# KiCad board 100p-keebored_OLD.kicad_pcb (continued)
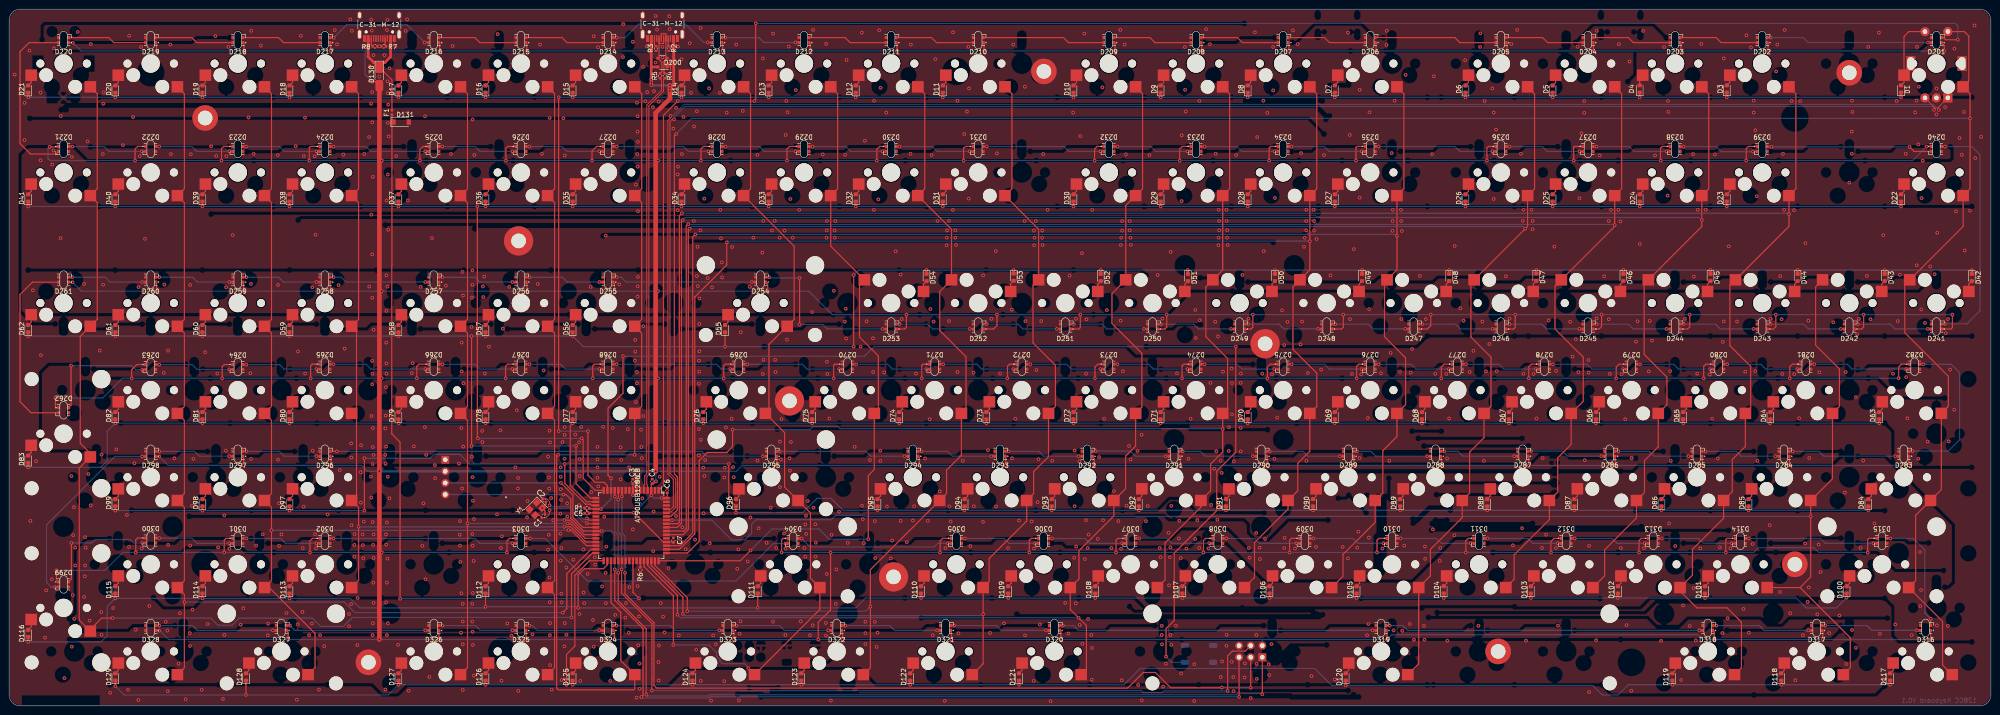
[diagram p0: board, top side]
## Routing (per net, layer and track width the routed paths; a pad name or vN(x,y) marks a point on that pad's centre or on a via; arc(x,y) is an arc through that point) (continued)
Col10: length 245.6
  Top w0.25: SW10.2 247.86,133.88 247.86,113.12 SW30.2 244.17,109.43 SW51.2 241.16,90.17 241.16,83.64 247.71,77.09 247.71,65.35 SW72.2 246.33,56.81 244.14,54.62 244.14,47.49 SW93.2 241.57,41.56 233.94,33.93 233.94,27.77 SW109.2 232.05,21.1 235.58,17.56 235.58,7.98 SW121.2 ; AT90USB1286.45 139.62,30.74 146.14,24.22 v1(146.14,19.94)
  Bottom w0.25: v1(146.14,19.94) 146.81,19.27 v1(233.87,19.27)
Col11: length 223.5
  Top w0.25: AT90USB1286.46 140.42,30.74 147.33,23.83 v1(147.33,20.09) ; SW11.2 219.28,133.88 219.28,113.12 SW31.2 225.12,104.23 SW52.2 223.9,91.96 223.9,79.4 228.81,74.49 228.81,65.5 SW73.2 227.28,54.51 224.04,51.26 224.04,46.44 SW94.2 222.52,40.44 214.3,32.22 214.3,27.18 SW110.2 v1(213,20.05) 213,9.21 SW122.2
  Bottom w0.25: v1(147.33,20.09) 147.33,19.94 147.55,19.72 212.67,19.72 v1(213,20.05)
Col12: length 200
  Top w0.25: v1(148.29,20.71) 148.29,23.66 141.22,30.74 AT90USB1286.47 ; SW123.2 188.33,8.35 v1(188.33,21.73) 188.33,29.78 SW95.2 205,46.45 205,51.57 208.24,54.8 SW74.2 209.24,64.98 209.24,76.34 203.51,82.07 203.51,90.62 SW53.2 206.08,104.23 SW32.2 200.23,113.12 200.23,133.88 SW12.2
  Bottom w0.25: v1(148.29,20.71) 187.31,20.71 v1(188.33,21.73)
Col13: length 156
  Top w0.25: v1(162.14,34) 159.87,31.74 AT90USB1286.48 ; v1(187.88,36.46) 187.88,50.37 189.19,51.68 SW75.2 190.07,64.86 190.07,76.54 185.96,80.65 185.96,92.11 SW54.2 179.66,100.55 SW33.2 181.19,113.12 181.19,133.88 SW13.2
  Bottom w0.25: v1(162.14,34) 166.82,38.69 177.09,38.69 179.32,36.46 v1(187.88,36.46)
Col14: length 190.3
  Top w0.25: SW14.2 162.14,133.88 162.14,113.12 SW34.2 171.66,100.55 171.66,84.54 SW55.2 170.08,83.02 166.15,79.1 166.15,64.75 SW76.2 169.58,59.77 169.58,47.87 SW96.2 175.24,42.21 175.24,27.92 SW111.2 177.28,21.11 SW124.2 161.61,8.21 v1(161.61,8.26) ; v1(145.24,13.32) 145.24,24.03 138.82,30.46 AT90USB1286.44
  Bottom w0.25: v1(145.24,13.32) 153.06,13.32 154.69,11.68 154.69,10.86 155.44,10.12 155.44,9.75 155.96,9.22 160.87,9.22 161.61,8.48 v1(161.61,8.26)
Col15: length 199.7
  Top w0.25: v1(136.76,54.91) 136.8,54.95 SW77.2 138.33,65.5 138.33,81.5 SW56.2 138.33,84.54 138.33,110.07 SW35.2 138.33,113.12 138.33,133.88 SW15.2 ; v1(120.02,54.91) 119.79,54.68 119.73,54.68 119.73,3.87 120.1,3.5 136.54,3.5 136.8,3.76 SW125.2 133.75,9.87 133.75,20.42 131.62,22.55 AT90USB1286.35
  Bottom w0.25: v1(136.76,54.91) v1(120.02,54.91)
Col16: length 145.9
  Top w0.25: 119.28,40.63 119.28,27.4 SW112.2 119.28,24.35 119.28,8.35 SW126.2 ; 119.28,40.63 119.28,40.63 v1(118.98,40.63) ; 119.28,40.63 119.28,41 ; AT90USB1286.27 125.81,37.44 122.62,40.62 v1(121.43,40.62) ; SW16.2 119.28,133.88 119.28,113.12 SW36.2 119.28,110.07 119.28,84.54 SW57.2 119.28,81.5 119.28,65.5 SW78.2 119.28,62.45 119.28,41 ; 119.28,41 119.27,41
  Bottom w0.25: v1(121.43,40.62) 121.42,40.63 v1(118.98,40.63)
Col17: length 163.1
  Top w0.25: SW127.2 100.23,8.35 v1(100.23,39.88) 100.23,62.45 SW79.2 100.23,65.5 100.23,81.5 SW58.2 100.23,84.54 100.23,110.07 SW37.2 100.23,113.12 100.23,133.88 SW17.2 ; v1(122.18,39.88) 122.72,39.88 125.97,36.64 AT90USB1286.28
  Bottom w0.25: v1(100.23,39.88) 100.23,39.88 v1(122.18,39.88)
Col18: length 168.4
  Top w0.25: SW18.2 76.42,133.88 76.42,113.12 SW38.2 76.42,110.07 76.42,84.54 SW59.2 75.96,81.95 75.96,65.04 SW80.2 75.96,62.91 75.96,45.99 SW97.2 76.42,43.4 v1(76.42,39.21) 76.42,27.4 SW113.2 ; AT90USB1286.29 126.11,35.84 122.79,39.16 v1(121.36,39.16)
  Bottom w0.25: v1(121.36,39.16) 121.34,39.14 76.49,39.14 v1(76.42,39.21)
Col19: length 213.1
  Top w0.25: AT90USB1286.30 126.27,35.04 122.87,38.43 v1(122.33,38.43) ; SW128.2 66.89,8.35 66.89,15.85 56.87,25.87 SW114.2 57.37,27.4 v1(57.37,38.39) 57.37,43.4 SW98.2 57.37,46.45 57.37,62.45 SW81.2 57.37,65.5 57.37,81.5 SW60.2 57.37,84.54 57.37,110.07 SW39.2 57.37,113.12 57.37,133.88 SW19.2
  Bottom w0.25: v1(57.37,38.39) 57.37,38.39 117.34,38.39 117.38,38.43 v1(122.33,38.43)
Col20: length 237.3
  Top w0.25: AT90USB1286.31 127.25,34.24 121.95,28.94 121.95,21.28 v1(121.06,20.39) ; SW129.2 38.32,8.35 v1(38.32,22.69) 38.32,24.35 SW115.2 38.32,27.4 38.32,43.4 SW99.2 38.32,46.45 38.32,62.45 SW82.2 38.32,65.5 38.32,81.5 SW61.2 38.32,84.54 38.32,110.07 SW40.2 38.32,113.12 38.32,133.88 SW20.2
  Bottom w0.25: v1(121.06,20.39) 75.6,20.39 73.29,22.69 38.32,22.69 v1(38.32,22.69)
Col21: length 251.6
  Top w0.25: AT90USB1286.32 127.56,33.44 122.98,28.86 v1(122.98,19.34) ; SW21.2 19.27,133.88 19.27,113.12 SW41.2 19.27,110.07 19.27,84.54 SW62.2 15.55,80.83 15.55,57.44 17.75,55.25 SW83.2 15.33,52.03 15.33,18.74 17.72,16.35 SW116.2 17.75,16.71 20.24,19.2 v1(22.62,19.2)
  Bottom w0.25: v1(122.98,19.34) 75.08,19.34 73.14,17.41 68.08,17.41 66.3,19.2 50.3,19.2 48.73,17.63 45.68,17.63 44.12,19.2 v1(22.62,19.2)
D+: length 91.9
  Top w0.2: R5.2 142.64,137 142.64,134.63 139.44,131.42 139.44,50.76 138.99,50.32 138.99,48.44 138.82,48.26 AT90USB1286.5
D-: length 91.9
  Top w0.2: R4.2 143.09,137 143.09,134.44 139.89,131.24 139.89,50.58 139.44,50.13 139.44,48.44 139.62,48.26 AT90USB1286.4
enc+: length 370.7
  Top w0.2: v1(144.65,129.02) 144.65,128.6 144.05,128 144.05,50.73 145.24,49.54 145.24,43.55 144.56,42.86 144.37,42.86 144.19,43.04 AT90USB1286.61 ; v1(421.98,130.36) 421.68,130.66 421.68,130.71 SW130.A
  Bottom w0.2: v1(421.98,130.36) 420.79,131.56 147.61,131.56 145.07,129.02 v1(144.65,129.02)
enc-: length 369.7
  Top w0.2: AT90USB1286.60 144.19,42.24 144.37,42.41 144.74,42.41 145.69,43.36 145.69,49.72 144.5,50.91 144.5,127.82 144.97,128.28 v1(145.39,128.28) ; SW130.B 421.23,130.71 421.23,130.66 v1(420.93,130.36)
  Bottom w0.2: v1(420.93,130.36) 420.93,130.78 420.6,131.11 147.79,131.11 145.39,128.71 v1(145.39,128.28)
extraUSBSense: length 167.7
  Top w0.25: AT90USB1286.41 136.42,24.82 v1(137.73,23.51) ; 83.7,129.32 F1.1 83.71,128.29 83.7,128.28 83.7,96.35 83.67,96.32 83.67,59.48 85.49,57.67 v1(85.49,23.44)
  Bottom w0.25: v1(137.73,23.51) 85.57,23.51 v1(85.49,23.44)
LED Input: length 390.7
  Top w0.25: 422.53,146.17 422.99,146.17 423.46,145.69 v1(426.14,145.69) ; v1(146.21,132.3) 143.09,129.17 143.09,48.2 AT90USB1286.1 ; v1(163.25,149.26) 163.25,132.6 v1(162.95,132.3)
  Bottom w0.25: v1(163.25,149.26) 425.62,149.26 426.14,148.74 v1(426.14,145.69) ; v1(162.95,132.3) v1(146.21,132.3)
MISO: length 190.8
  Top w0.25: v1(132.45,45.83) 132.42,45.86 AT90USB1286.13 ; ISP.1 274.04,2.53 v1(274.05,2.53) ; v1(139.35,2.43) 139.29,2.49 139.29,16.85 133.19,22.96 v1(133.19,29.09)
  Bottom w0.25: v1(139.35,2.43) 139.62,2.16 152.84,2.16 153.12,2.43 268.39,2.43 268.66,2.71 273.87,2.71 v1(274.05,2.53) ; v1(132.45,45.83) 132.45,38.06 133.19,37.32 v1(133.19,29.09)
MOSI: length 186.7
  Top w0.25: AT90USB1286.12 133.22,45.12 v1(133.19,45.09) ; v1(140.56,3.35) 140.56,18.01 133.93,24.63 v1(133.93,29.84) ; ISP.4 270.31,11.98 267.5,11.98 266.46,10.94 v1(266.46,3.27)
  Bottom w0.25: v1(266.46,3.27) 252.54,3.27 252.15,2.88 248.02,2.88 247.56,3.35 v1(140.56,3.35) ; v1(133.93,29.84) 133.91,29.86 133.91,37.23 133.19,37.96 v1(133.19,45.09)
RESET: length 252.2
  Top w0.25: v1(134.23,76.49) 134.23,68.38 130.96,65.11 130.96,50.45 v1(131.63,49.78) ; R1.2 127.05,43.04 AT90USB1286.20 128.35,43.07 v1(129.41,43.07) ; v1(252.99,10.79) 252.99,16.89 254.78,18.68 254.78,33.41 264.08,42.71 264.08,51.34 268.24,55.51 v1(268.24,78.58)
  Bottom w0.25: v1(129.41,43.07) 131.63,45.29 v1(131.63,49.78) ; v1(134.23,76.49) 187.06,76.49 189.15,78.58 v1(268.24,78.58) ; RESET.4 254.24,9.53 v1(252.99,10.79)
Row1: length 524.9
  Top w0.25: D20.1 v1(23.22,133.12) ; D8.1 v1(270.85,133.12) ; v1(126.57,60.09) 126.57,50.45 128.13,48.89 130.14,48.89 130.82,48.21 AT90USB1286.15 ; D9.1 v1(251.8,133.12) ; D18.1 v1(61.32,133.12) ; D6.1 v1(318.47,133.12) ; D12.1 v1(185.13,133.12) ; D14.1 v1(147.03,133.12) ; D19.1 v1(42.27,133.12) ; D5.1 v1(337.52,133.12) ; D11.1 v1(204.18,133.12) ; D17.1 v1(85.13,133.12) ; D16.1 v1(104.18,133.12) ; D1.1 v1(413.72,133.12) ; v1(120.17,60.09) v1(120.17,133.12) ; v1(4.17,133.12) D21.1 ; D3.1 v1(375.62,133.12) ; D10.1 v1(232.75,133.12) ; D7.1 v1(289.9,133.12) ; D13.1 v1(166.08,133.12) ; D4.1 v1(356.57,133.12) ; D15.1 v1(123.22,133.12)
  Bottom w0.25: v1(120.17,60.09) v1(126.57,60.09) ; v1(413.72,133.12) v1(375.62,133.12) v1(356.57,133.12) v1(337.52,133.12) v1(318.47,133.12) v1(289.9,133.12) v1(270.85,133.12) v1(251.8,133.12) v1(232.75,133.12) v1(204.18,133.12) v1(185.13,133.12) v1(166.08,133.12) v1(147.03,133.12) v1(123.22,133.12) v1(120.17,133.12) v1(104.18,133.12) v1(85.13,133.12) v1(61.32,133.12) v1(42.27,133.12) v1(23.22,133.12) v1(4.17,133.12)
Row2: length 518.9
  Top w0.25: D22.1 v1(413.72,109.23) ; D35.1 v1(123.22,109.23) ; D26.1 v1(318.47,109.23) ; D37.1 v1(85.13,109.23) ; D30.1 v1(232.75,109.23) ; D34.1 v1(147.03,109.23) ; D40.1 v1(23.22,109.23) ; AT90USB1286.16 128.17,47.14 125.53,49.78 125.53,58.17 v1(125.18,58.51) ; D23.1 v1(375.62,109.23) ; D32.1 v1(185.13,109.23) ; D27.1 v1(289.9,109.23) ; D28.1 v1(270.85,109.23) ; D33.1 v1(166.08,109.23) ; D25.1 v1(337.52,109.23) ; v1(4.17,109.23) D41.1 ; D31.1 v1(204.18,109.23) ; D39.1 v1(42.27,109.23) ; D24.1 v1(356.57,109.23) ; v1(102.53,58.51) 102.38,58.66 102.38,109.23 v1(102.39,109.23) ; D36.1 v1(104.18,109.23) ; D29.1 v1(251.8,109.23) ; D38.1 v1(61.32,109.23)
  Bottom w0.25: v1(4.17,109.23) v1(23.22,109.23) v1(42.27,109.23) v1(61.32,109.23) v1(85.13,109.23) v1(102.39,109.23) v1(104.18,109.23) v1(123.22,109.23) v1(147.03,109.23) v1(166.08,109.23) v1(185.13,109.23) v1(204.18,109.23) v1(232.75,109.23) v1(251.8,109.23) v1(270.85,109.23) v1(289.9,109.23) v1(318.47,109.23) v1(337.52,109.23) v1(356.57,109.23) v1(375.62,109.23) v1(413.72,109.23) ; v1(102.53,58.51) v1(125.18,58.51)
Row3: length 522.9
  Top w0.25: D50.1 v1(276.8,95.32) ; v1(101.12,80.88) 101.12,80.88 v1(101.12,56.85) ; D45.1 v1(372.05,95.32) ; D49.1 v1(295.85,95.32) ; D42.1 v1(429.19,95.32) ; D48.1 v1(314.9,95.32) ; v1(200.61,95.32) D54.1 ; D47.1 v1(333.95,95.32) ; D55.1 v1(156.56,78.58) ; D51.1 v1(257.76,95.32) ; D57.1 v1(104.18,80.88) ; D43.1 v1(410.14,95.32) ; D46.1 v1(353,95.32) ; D59.1 v1(61.32,80.88) ; D56.1 v1(123.22,80.88) ; v1(123.96,56.85) 123.96,48.59 127.12,45.44 AT90USB1286.17 ; D44.1 v1(391.1,95.32) ; D61.1 v1(23.22,80.88) ; v1(184.68,78.58) v1(184.68,94.2) ; D52.1 v1(238.71,95.32) ; D60.1 v1(42.27,80.88) ; D58.1 v1(85.13,80.88) ; D53.1 v1(219.66,95.32) ; v1(4.17,80.88) D62.1
  Bottom w0.25: v1(184.68,94.2) 185.8,95.32 v1(200.61,95.32) v1(219.66,95.32) v1(238.71,95.32) v1(257.76,95.32) v1(276.8,95.32) v1(295.85,95.32) v1(314.9,95.32) v1(333.95,95.32) v1(353,95.32) v1(372.05,95.32) v1(391.1,95.32) v1(410.14,95.32) v1(429.19,95.32) ; v1(4.17,80.88) v1(23.22,80.88) v1(42.27,80.88) v1(61.32,80.88) v1(85.13,80.88) v1(101.12,80.88) v1(104.18,80.88) v1(123.22,80.88) 125.53,78.58 v1(156.56,78.58) 179.03,78.58 v1(184.68,78.58) ; v1(123.96,56.85) v1(101.12,56.85)
Row4: length 451.6
  Top w0.25: D73.1 v1(213.71,61.84) ; D69.1 v1(289.9,61.84) ; D71.1 v1(251.8,61.84) ; D79.1 85.13,61.91 v1(85.2,61.84) ; D80.1 v1(61.32,61.84) ; D64.1 385.14,61.91 v1(385.07,61.84) ; D72.1 v1(232.75,61.84) ; v1(23.22,61.84) D82.1 ; D81.1 v1(42.27,61.84) ; D66.1 347.05,61.91 v1(346.97,61.84) ; D74.1 v1(194.66,61.84) ; D65.1 v1(366.09,61.84) ; AT90USB1286.18 126.28,44.64 122.7,48.22 122.7,61.31 v1(123.22,61.84) D77.1 ; D76.1 v1(151.8,61.84) ; D83.1 v1(4.17,52.16) ; D63.1 v1(408.95,61.84) ; D75.1 v1(175.61,61.84) ; D67.1 v1(328,61.84) ; D70.1 v1(270.85,61.84) ; D78.1 v1(104.18,61.84) ; D68.1 v1(308.95,61.84)
  Bottom w0.25: v1(408.95,61.84) v1(385.07,61.84) v1(366.09,61.84) v1(346.97,61.84) v1(328,61.84) v1(308.95,61.84) v1(289.9,61.84) v1(270.85,61.84) v1(251.8,61.84) v1(232.75,61.84) v1(213.71,61.84) v1(194.66,61.84) v1(175.61,61.84) v1(151.8,61.84) v1(123.22,61.84) v1(104.18,61.84) v1(85.2,61.84) v1(61.32,61.84) v1(42.27,61.84) v1(23.22,61.84) 21.43,60.05 21.43,53.58 20.02,52.16 v1(4.17,52.16)
Row5: length 434.2
  Top w0.25: D91.1 v1(266.09,42.79) ; v1(77.68,42.71) v1(77.68,54.17) ; D97.1 v1(61.32,42.71) ; v1(189.89,42.79) D95.1 ; AT90USB1286.19 127.37,43.84 127.08,44.12 126.05,44.12 121.51,48.66 v1(121.51,52.9) ; D93.1 v1(227.99,42.79) ; D92.1 v1(247.04,42.79) ; D84.1 v1(406.57,42.79) ; v1(208.87,42.79) 208.94,42.86 D94.1 ; D85.1 v1(380.38,42.79) ; D86.1 v1(361.33,42.79) ; v1(23.22,42.71) D99.1 ; v1(157.37,52.9) 157.37,45.2 D96.1 v1(158.94,42.27) ; D89.1 v1(304.19,42.79) ; D98.1 v1(42.27,42.71) ; D88.1 v1(323.24,42.79) ; D90.1 v1(285.14,42.79) ; D87.1 v1(342.28,42.79)
  Bottom w0.25: v1(157.37,52.9) v1(121.51,52.9) 100.67,52.9 98.56,55.02 92.96,55.02 92.12,54.17 v1(77.68,54.17) ; v1(23.22,42.71) v1(42.27,42.71) v1(61.32,42.71) 77.68,42.71 v1(77.68,42.71) ; v1(406.57,42.79) v1(380.38,42.79) v1(361.33,42.79) v1(342.28,42.79) v1(323.24,42.79) v1(304.19,42.79) v1(285.14,42.79) v1(266.09,42.79) v1(247.04,42.79) v1(227.99,42.79) v1(208.87,42.79) v1(189.89,42.79) 182.3,42.79 179.7,45.39 176.65,45.39 173.52,42.27 v1(158.94,42.27)
Row6: length 445.8
  Top w0.25: D101.1 v1(370.86,23.59) ; D114.1 v1(42.27,23.51) ; D109.1 v1(218.47,23.59) ; v1(199.42,23.59) D110.1 ; D113.1 v1(61.32,23.51) ; D104.1 v1(313.71,23.59) ; D115.1 v1(23.22,23.51) ; D105.1 v1(294.66,23.59) ; D108.1 v1(237.52,23.59) ; D111.1 v1(163.7,21.43) ; D103.1 v1(332.76,23.59) ; D106.1 v1(275.61,23.59) ; D102.1 v1(351.81,23.59) ; D116.1 v1(4.17,13.99) ; D112.1 v1(104.18,21.68) ; D100.1 v1(401.81,23.66) ; v1(124.43,21.43) 124.43,28.63 125.81,30 129.96,30 130.82,30.86 AT90USB1286.34 ; D107.1 v1(256.56,23.59)
  Bottom w0.25: v1(401.81,23.66) 399.58,21.43 392.96,21.43 390.8,23.59 v1(370.86,23.59) v1(351.81,23.59) v1(332.76,23.59) v1(313.71,23.59) v1(294.66,23.59) v1(275.61,23.59) v1(256.56,23.59) v1(237.52,23.59) v1(218.47,23.59) v1(199.42,23.59) 187.29,23.59 185.13,21.43 v1(163.7,21.43) v1(124.43,21.43) 124.18,21.68 v1(104.18,21.68) 103.92,21.43 76.64,21.43 74.56,23.51 v1(61.32,23.51) v1(42.27,23.51) v1(23.22,23.51) 21.43,21.73 21.43,15.33 20.09,13.99 v1(4.17,13.99)
Row7: length 441.7
  Top w0.25: D124.1 v1(149.42,4.61) ; D118.1 v1(387.52,4.61) ; D120.1 v1(292.28,4.47) ; v1(363.71,4.61) D119.1 ; v1(121.88,4.61) 121.88,11.24 123.71,13.06 123.71,28.54 126.9,31.74 AT90USB1286.33 ; D123.1 v1(173.23,4.61) ; D125.1 v1(123.22,4.61) ; D122.1 v1(197.04,4.61) ; D117.1 v1(411.34,4.61) ; D128.1 v1(51.79,2.38) ; D121.1 v1(220.85,4.61) ; v1(85.13,4.61) D127.1 ; v1(23.22,4.32) D129.1 ; D126.1 v1(104.18,4.61)
  Bottom w0.25: v1(411.34,4.61) v1(387.52,4.61) v1(363.71,4.61) 354.04,4.61 351.81,2.38 348.39,2.38 346.3,4.47 v1(292.28,4.47) 289.22,4.47 285.51,8.18 247.33,8.18 243.77,4.61 v1(220.85,4.61) v1(197.04,4.61) v1(173.23,4.61) v1(149.42,4.61) v1(123.22,4.61) v1(121.88,4.61) v1(104.18,4.61) v1(85.13,4.61) 82.89,2.38 v1(51.79,2.38) 25.15,2.38 v1(23.22,4.32)
SCK: length 185.8
  Top w0.25: AT90USB1286.11 134.02,45.84 v1(134.01,45.83) ; v1(265.19,4) 265.14,3.94 254.03,3.94 250.68,7.29 248,7.29 244.6,3.89 141.58,3.89 141.01,4.46 141.01,18.19 134.68,24.52 v1(134.68,29.09) ; ISP.3 v1(271.5,3.96)
  Bottom w0.25: v1(271.5,3.96) 271.46,4 v1(265.19,4) ; v1(134.01,45.83) 134.01,37.8 134.66,37.15 134.66,29.11 v1(134.68,29.09)
SCL: length 39.9
  Top w0.25: AT90USB1286.25 125.48,39.04 123.28,41.24 123.28,46.15 v1(120.66,48.76)
  Bottom w0.25: OLED.3 v1(120.66,48.76)
SDA: length 220.9
  Top w0.25: v1(129.54,38.24) 129.53,38.24 AT90USB1286.26 125.64,38.24 122.83,41.05 122.83,45.16 121.78,46.21 v1(121.21,46.21) ; v1(132.45,29.84) 132.45,23.07 138.62,16.89 138.62,2.3 v1(138.25,1.93) ; ISP.5 v1(268.96,1.98)
  Bottom w0.25: v1(121.21,46.21) 115.19,46.21 115.17,46.22 OLED.4 ; v1(268.96,1.98) 153.3,1.98 153.03,1.71 138.47,1.71 v1(138.25,1.93) ; v1(129.54,38.24) 131.63,38.24 132.45,37.43 v1(132.45,29.84)
sw1Out: length 16
  Top w0.25: D1.2 414.37,136.38 SW1.1 414.37,146.42 415.43,147.48 SW130.S1
Net-(C8-Pad1): length 1.5
  Top w0.25: C8.1 137.22,48.56 AT90USB1286.7
Net-(D3-Pad2): length 2.5
  Top w0.25: D3.2 376.27,136.38 SW3.1
Net-(D4-Pad2): length 2.5
  Top w0.25: D4.2 356.57,137.29 SW4.1
Net-(D5-Pad2): length 2.5
  Top w0.25: SW5.1 338.17,136.34 D5.2
Net-(D6-Pad2): length 2.5
  Top w0.25: D6.2 319.13,136.34 SW6.1
Net-(D7-Pad2): length 2.5
  Top w0.25: SW7.1 290.55,136.34 D7.2
Net-(D8-Pad2): length 2.5
  Top w0.25: SW8.1 271.5,136.34 D8.2
Net-(D9-Pad2): length 2.5
  Top w0.25: D9.2 252.45,136.34 SW9.1
Net-(D10-Pad2): length 2.5
  Top w0.25: D10.2 233.41,136.34 SW10.1
Net-(D11-Pad2): length 2.5
  Top w0.25: SW11.1 204.83,136.34 D11.2
Net-(D12-Pad2): length 2.5
  Top w0.25: SW12.1 185.78,136.34 D12.2
Net-(D13-Pad2): length 2.5
  Top w0.25: SW13.1 166.74,136.34 D13.2
Net-(D14-Pad2): length 2.5
  Top w0.25: SW14.1 147.69,136.34 D14.2
Net-(D15-Pad2): length 2.5
  Top w0.25: SW15.1 123.88,136.34 D15.2
Net-(D16-Pad2): length 2.5
  Top w0.25: D16.2 104.83,136.34 SW16.1
Net-(D17-Pad2): length 2.5
  Top w0.25: D17.2 85.78,136.34 SW17.1
Net-(D18-Pad2): length 2.5
  Top w0.25: SW18.1 61.97,136.34 D18.2
Net-(D19-Pad2): length 2.5
  Top w0.25: D19.2 42.92,136.34 SW19.1
Net-(D20-Pad2): length 2.5
  Top w0.25: D20.2 23.87,136.34 SW20.1
Net-(D21-Pad2): length 2.5
  Top w0.25: D21.2 4.82,136.34 SW21.1
Net-(D22-Pad2): length 2.5
  Top w0.25: D22.2 414.37,112.53 SW22.1
Net-(D23-Pad2): length 2.5
  Top w0.25: SW23.1 376.27,112.53 D23.2
Net-(D24-Pad2): length 2.5
  Top w0.25: D24.2 357.22,112.53 SW24.1
Net-(D25-Pad2): length 2.5
  Top w0.25: D25.2 338.17,112.53 SW25.1
Net-(D26-Pad2): length 2.5
  Top w0.25: D26.2 319.13,112.53 SW26.1
Net-(D27-Pad2): length 2.5
  Top w0.25: D27.2 290.55,112.53 SW27.1
Net-(D28-Pad2): length 2.5
  Top w0.25: D28.2 271.5,112.53 SW28.1
Net-(D29-Pad2): length 2.5
  Top w0.25: D29.2 252.45,112.53 SW29.1
Net-(D30-Pad2): length 2.5
  Top w0.25: D30.2 233.41,112.53 SW30.1
Net-(D31-Pad2): length 2.5
  Top w0.25: D31.2 204.83,112.53 SW31.1
Net-(D32-Pad2): length 2.5
  Top w0.25: D32.2 185.78,112.53 SW32.1
Net-(D33-Pad2): length 2.5
  Top w0.25: D33.2 166.74,112.53 SW33.1
Net-(D34-Pad2): length 2.5
  Top w0.25: D34.2 147.69,112.53 SW34.1
Net-(D35-Pad2): length 2.5
  Top w0.25: SW35.1 123.88,112.53 D35.2
Net-(D36-Pad2): length 2.5
  Top w0.25: D36.2 104.83,112.53 SW36.1
Net-(D37-Pad2): length 2.5
  Top w0.25: SW37.1 85.78,112.53 D37.2
Net-(D38-Pad2): length 2.5
  Top w0.25: D38.2 61.97,112.53 SW38.1
Net-(D39-Pad2): length 2.5
  Top w0.25: D39.2 42.92,112.53 SW39.1
Net-(D40-Pad2): length 2.5
  Top w0.25: D40.2 23.87,112.53 SW40.1
Net-(D41-Pad2): length 2.5
  Top w0.25: SW41.1 4.82,112.53 D41.2
Net-(D42-Pad2): length 2.5
  Top w0.25: SW42.1 428.54,92.24 D42.2
Net-(D43-Pad2): length 2.5
  Top w0.25: D43.2 409.49,92.24 SW43.1
Net-(D44-Pad2): length 2.5
  Top w0.25: D44.2 390.44,92.24 SW44.1
Net-(D45-Pad2): length 2.5
  Top w0.25: SW45.1 371.39,92.24 D45.2
Net-(D46-Pad2): length 2.5
  Top w0.25: SW46.1 352.34,92.24 D46.2
Net-(D47-Pad2): length 2.6
  Top w0.25: SW47.1 333.3,92.31 D47.2
Net-(D48-Pad2): length 2.5
  Top w0.25: SW48.1 314.25,92.24 D48.2
Net-(D49-Pad2): length 2.5
  Top w0.25: D49.2 295.2,92.24 SW49.1
Net-(D50-Pad2): length 2.5
  Top w0.25: D50.2 276.15,92.24 SW50.1
Net-(D51-Pad2): length 2.5
  Top w0.25: SW51.1 257.1,92.24 D51.2
Net-(D52-Pad2): length 2.5
  Top w0.25: D52.2 238.05,92.24 SW52.1
Net-(D53-Pad2): length 2.6
  Top w0.25: D53.2 219,92.31 SW53.1
Net-(D54-Pad2): length 2.5
  Top w0.25: SW54.1 199.95,92.24 D54.2
Net-(D55-Pad2): length 2.5
  Top w0.25: D55.2 157.21,83.96 SW55.1
Net-(D56-Pad2): length 2.5
  Top w0.25: D56.2 123.88,83.96 SW56.1
Net-(D57-Pad2): length 2.5
  Top w0.25: SW57.1 104.83,83.96 D57.2
Net-(D58-Pad2): length 2.5
  Top w0.25: SW58.1 85.78,83.96 D58.2
Net-(D59-Pad2): length 2.5
  Top w0.25: D59.2 61.97,83.96 SW59.1
Net-(D60-Pad2): length 2.5
  Top w0.25: D60.2 42.92,83.96 SW60.1
Net-(D61-Pad2): length 2.5
  Top w0.25: D61.2 23.87,83.96 SW61.1
Net-(D62-Pad2): length 2.5
  Top w0.25: SW62.1 4.82,83.96 D62.2
Net-(D63-Pad2): length 2.5
  Top w0.25: D63.2 409.61,64.91 SW63.1
Net-(D64-Pad2): length 2.5
  Top w0.25: D64.2 385.8,64.91 SW64.1
Net-(D65-Pad2): length 2.5
  Top w0.25: D65.2 366.75,64.91 SW65.1
Net-(D66-Pad2): length 2.5
  Top w0.25: SW66.1 347.7,64.91 D66.2
Net-(D67-Pad2): length 2.5
  Top w0.25: D67.2 328.65,64.91 SW67.1
Net-(D68-Pad2): length 2.5
  Top w0.25: SW68.1 309.6,64.91 D68.2
Net-(D69-Pad2): length 2.5
  Top w0.25: SW69.1 290.55,64.91 D69.2
Net-(D70-Pad2): length 2.5
  Top w0.25: D70.2 271.5,64.91 SW70.1
Net-(D71-Pad2): length 2.5
  Top w0.25: D71.2 252.45,64.91 SW71.1
Net-(D72-Pad2): length 2.5
  Top w0.25: D72.2 233.41,64.91 SW72.1
Net-(D73-Pad2): length 2.5
  Top w0.25: SW73.1 214.36,64.91 D73.2
Net-(D74-Pad2): length 2.5
  Top w0.25: SW74.1 195.31,64.91 D74.2
Net-(D75-Pad2): length 2.5
  Top w0.25: SW75.1 176.26,64.91 D75.2
Net-(D76-Pad2): length 2.5
  Top w0.25: SW76.1 152.45,64.91 D76.2
Net-(D77-Pad2): length 2.5
  Top w0.25: SW77.1 123.88,64.91 D77.2
Net-(D78-Pad2): length 2.5
  Top w0.25: SW78.1 104.83,64.91 D78.2
Net-(D79-Pad2): length 2.5
  Top w0.25: D79.2 85.78,64.91 SW79.1
Net-(D80-Pad2): length 2.5
  Top w0.25: D80.2 61.97,64.91 SW80.1
Net-(D81-Pad2): length 2.5
  Top w0.25: SW81.1 42.92,64.91 D81.2
Net-(D82-Pad2): length 2.5
  Top w0.25: D82.2 23.87,64.91 SW82.1
Net-(D83-Pad2): length 2.5
  Top w0.25: SW83.1 4.82,55.39 D83.2
Net-(D84-Pad2): length 2.5
  Top w0.25: SW84.1 407.23,45.86 D84.2
Net-(D85-Pad2): length 2.5
  Top w0.25: SW85.1 381.03,45.86 D85.2
Net-(D86-Pad2): length 2.5
  Top w0.25: SW86.1 361.99,45.86 D86.2
Net-(D87-Pad2): length 2.5
  Top w0.25: SW87.1 342.94,45.86 D87.2
Net-(D88-Pad2): length 2.5
  Top w0.25: D88.2 323.89,45.86 SW88.1
Net-(D89-Pad2): length 2.5
  Top w0.25: SW89.1 304.84,45.86 D89.2
Net-(D90-Pad2): length 2.5
  Top w0.25: SW90.1 285.79,45.86 D90.2
Net-(D91-Pad2): length 2.5
  Top w0.25: SW91.1 266.74,45.86 D91.2
Net-(D92-Pad2): length 2.5
  Top w0.25: D92.2 247.69,45.86 SW92.1
Net-(D93-Pad2): length 2.5
  Top w0.25: SW93.1 228.64,45.86 D93.2
Net-(D94-Pad2): length 2.5
  Top w0.25: SW94.1 209.6,45.86 D94.2
Net-(D95-Pad2): length 2.5
  Top w0.25: D95.2 190.55,45.86 SW95.1
Net-(D96-Pad2): length 2.5
  Top w0.25: D96.2 159.59,45.86 SW96.1
Net-(D97-Pad2): length 2.5
  Top w0.25: D97.2 61.97,45.86 SW97.1
Net-(D98-Pad2): length 2.5
  Top w0.25: D98.2 42.92,45.86 SW98.1
Net-(D99-Pad2): length 2.5
  Top w0.25: D99.2 23.87,45.86 SW99.1
Net-(D100-Pad2): length 2.5
  Top w0.25: SW100.1 402.46,26.82 D100.2
Net-(D101-Pad2): length 2.5
  Top w0.25: SW101.1 371.51,26.82 D101.2
Net-(D102-Pad2): length 2.5
  Top w0.25: D102.2 352.46,26.81 SW102.1
Net-(D103-Pad2): length 2.5
  Top w0.25: SW103.1 333.41,26.81 D103.2
Net-(D104-Pad2): length 2.5
  Top w0.25: D104.2 314.36,26.81 SW104.1
Net-(D105-Pad2): length 2.5
  Top w0.25: D105.2 295.31,26.81 SW105.1
Net-(D106-Pad2): length 2.5
  Top w0.25: SW106.1 276.27,26.81 D106.2
Net-(D107-Pad2): length 2.5
  Top w0.25: SW107.1 257.22,26.81 D107.2
Net-(D108-Pad2): length 2.5
  Top w0.25: D108.2 238.17,26.81 SW108.1
Net-(D109-Pad2): length 2.5
  Top w0.25: SW109.1 219.12,26.81 D109.2
Net-(D110-Pad2): length 2.5
  Top w0.25: SW110.1 200.07,26.81 D110.2
Net-(D111-Pad2): length 2.5
  Top w0.25: D111.2 164.35,26.81 SW111.1
Net-(D112-Pad2): length 2.5
  Top w0.25: SW112.1 104.83,26.81 D112.2
Net-(D113-Pad2): length 2.5
  Top w0.25: SW113.1 61.97,26.81 D113.2
Net-(D114-Pad2): length 2.5
  Top w0.25: D114.2 42.92,26.81 SW114.1
Net-(D115-Pad2): length 2.5
  Top w0.25: SW115.1 23.87,26.81 D115.2
Net-(D116-Pad2): length 2.5
  Top w0.25: D116.2 4.82,17.29 SW116.1
Net-(D117-Pad2): length 2.5
  Top w0.25: SW117.1 411.99,7.77 D117.2
Net-(D118-Pad2): length 2.5
  Top w0.25: D118.2 388.18,7.77 SW118.1
Net-(D119-Pad2): length 2.5
  Top w0.25: D119.2 364.37,7.77 SW119.1
Net-(D120-Pad2): length 2.5
  Top w0.25: SW120.1 292.93,7.77 D120.2
Net-(D121-Pad2): length 2.5
  Top w0.25: D121.2 221.5,7.77 SW121.1
Net-(D122-Pad2): length 2.5
  Top w0.25: D122.2 197.69,7.77 SW122.1
Net-(D123-Pad2): length 2.5
  Top w0.25: D123.2 173.88,7.77 SW123.1
Net-(D124-Pad2): length 2.5
  Top w0.25: SW124.1 150.07,7.77 D124.2
Net-(D125-Pad2): length 2.5
  Top w0.25: SW125.1 123.88,7.77 D125.2
Net-(D126-Pad2): length 2.5
  Top w0.25: D126.2 104.83,7.76 SW126.1
Net-(D127-Pad2): length 2.5
  Top w0.25: SW127.1 85.78,7.76 D127.2
Net-(D128-Pad2): length 2.5
  Top w0.25: D128.2 52.44,7.76 SW128.1
Net-(D129-Pad2): length 2.5
  Top w0.25: D129.2 23.87,7.76 SW129.1
Net-(D200-Pad2): length 11.2
  Top w0.25: J2.A7 142.62,146.99 142.64,147.01 143.59,147.01 143.62,146.99 J2.B7 143.62,141.91 D200.2 143.19,140.98 143.19,138.51 R4.1
Net-(D200-Pad3): length 11.4
  Top w0.25: R5.1 142.74,138.71 142.74,140.78 D200.3 142.12,141.91 J2.B6 142.12,144.94 142.19,144.87 143.05,144.87 143.12,144.94 J2.A6
Net-(D201-Pad2): length 36.4
  Top w0.25: v1(419.59,145.1) 419.62,145.07 420.38,145.07 ; 384.43,146.17 v1(385.19,146.17)
  Bottom w0.25: v1(419.59,145.1) 393.4,145.1 392.33,146.17 v1(385.19,146.17)
Net-(D202-Pad2): length 17.4
  Top w0.25: 382.28,145.07 374.38,145.07 373.28,146.17 365.38,146.17
Net-(D203-Pad2): length 17.4
  Top w0.25: 363.23,145.07 355.19,145.07 354.09,146.17 346.34,146.17
Net-(D204-Pad2): length 17.4
  Top w0.25: 344.19,145.07 336.43,145.07 335.33,146.17 327.29,146.17
